# Altium PCB cheriot-test.PcbDoc (part 2 of 12)
Units mil, origin at the board's own origin, x right, y up, seen from the top; angles counter-clockwise.
Board outline 6629.92 x 3149.61 mil, 8 copper layers (Top Layer, Int1 (Sign), Int2 (GND), Int3 (Sign), Int4 (Sign), Int5 (PWR), Int6 (Sign), Bottom Layer), stack 60.424 mil thick; 496 components, 639 nets, 2898 pads, 1737 vias.
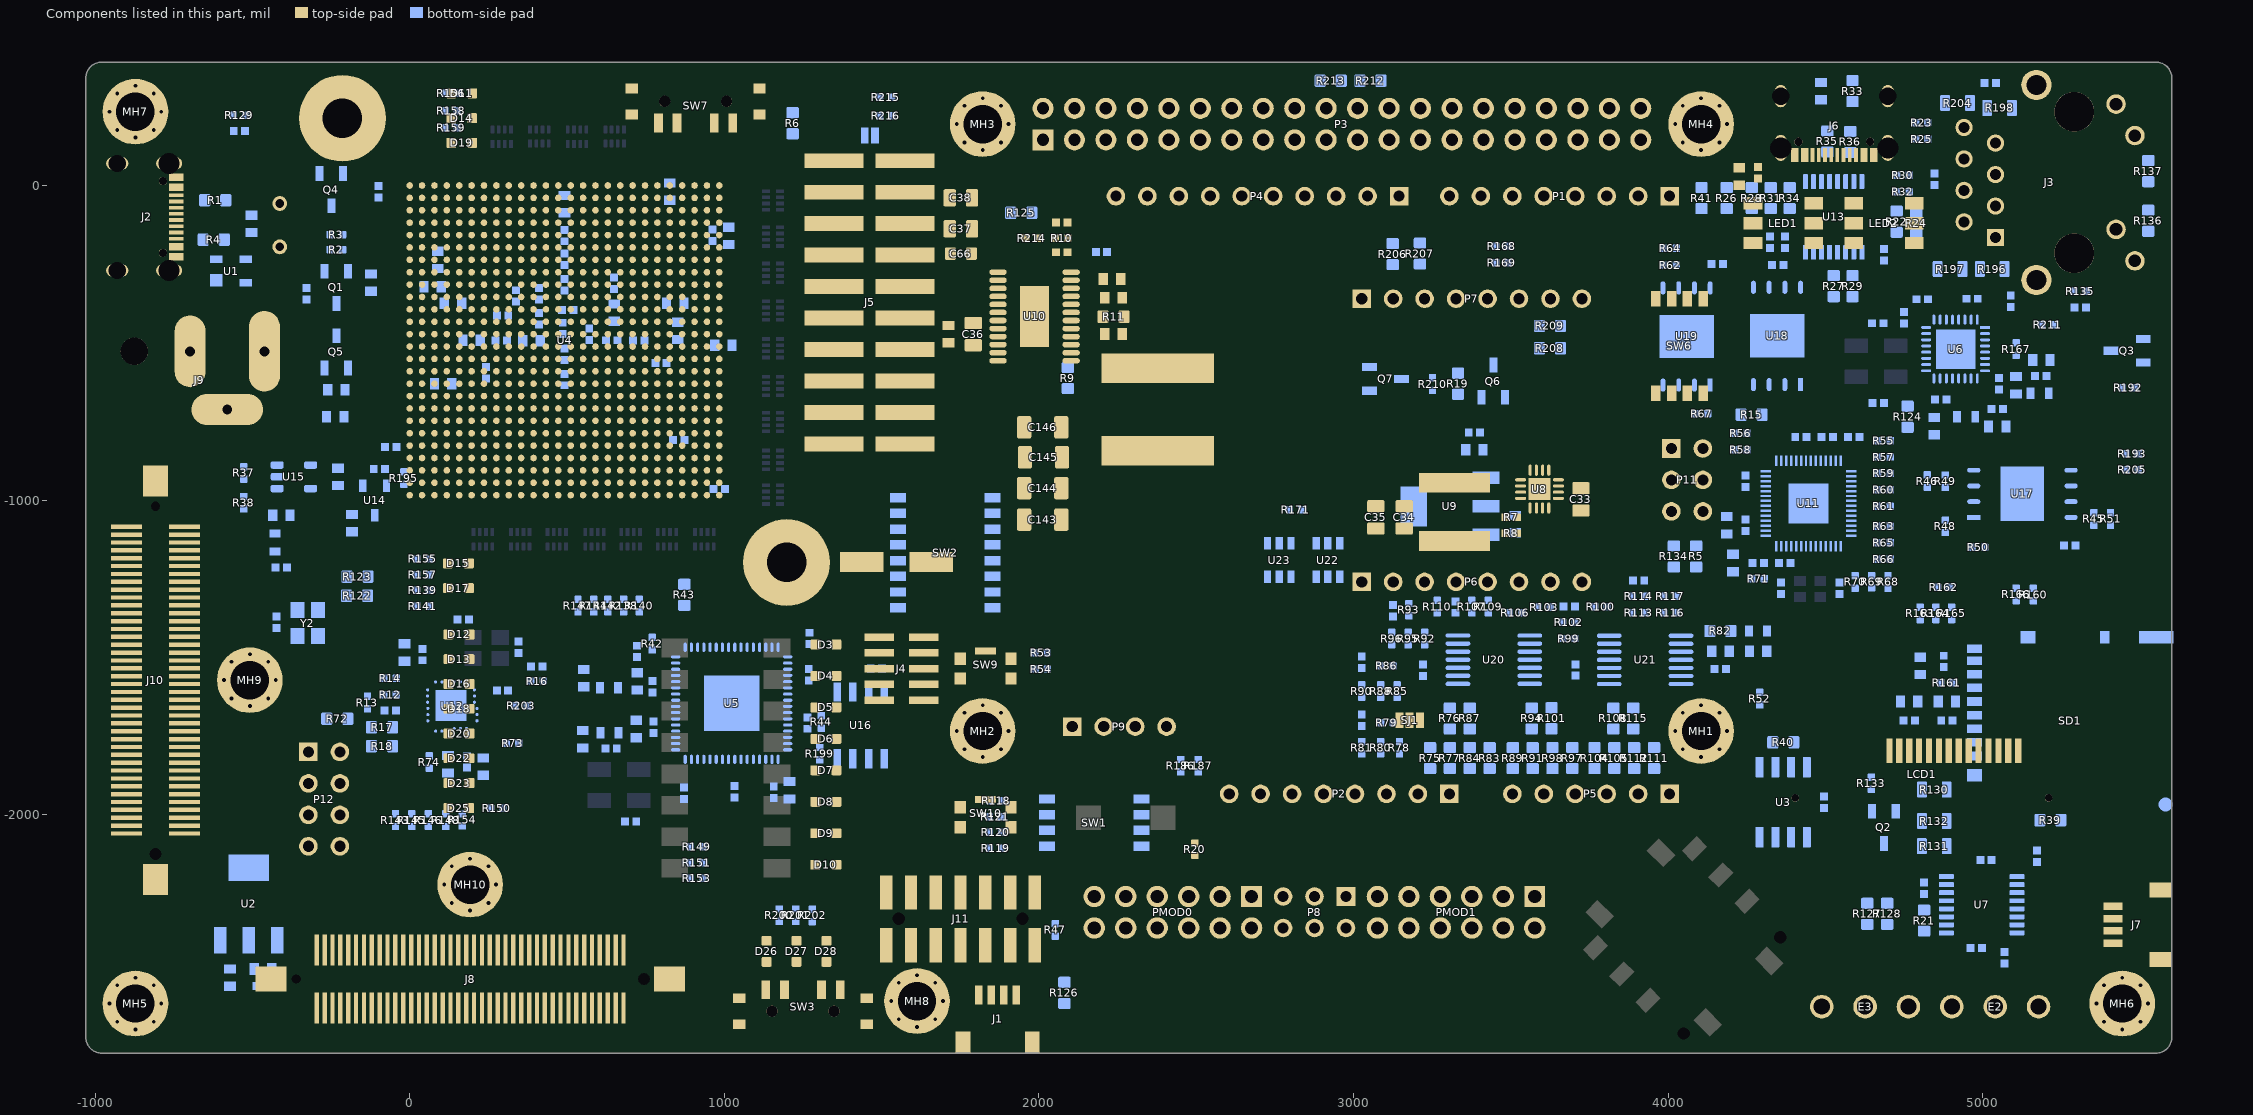
[diagram p8: the components of this part, seen from the top]

## Footprints (in the part's own frame and the unit in brackets; to place one, negate y for a bottom-side part, rotate by r counter-clockwise, add the part's x,y. Pads: shape width x height; smd on the part's side, far side on the other; paste and mask are expansions set on the pad) (continued)
FP-24-S4QFN-4x4B-0_5P-MFG [mm]
  round 0.252 smd paste+0 mask+0: 1(-1.883,1.25) 2(-1.883,0.75) 3(-1.883,0.25) 4(-2.087,-0.25) 5(-2.087,-0.75) 6(-2.087,-1.25) 7(-1.25,-1.883) 8(-0.75,-1.883) 9(-0.25,-1.883) 10(0.25,-2.087) 11(0.75,-2.087) 12(1.25,-2.087) 13(1.883,-1.25) 14(1.883,-0.75) 15(1.883,-0.25) 16(1.897,0.25) 17(1.897,0.75) 18(1.897,1.25) 19(1.25,1.883) 20(0.75,1.883) 21(0.25,1.883) 22(-0.25,1.897) 23(-0.75,1.897) 24(-1.25,1.897)
  rect 2.5x2.5 smd paste+0 mask+0: 25(0,0)
  Top Layer region: -1.11,2.228 -1.11,1.677 -1.121,1.624 -1.151,1.579 -1.196,1.548 -1.25,1.538 -1.25,1.538 -1.304,1.548 -1.349,1.579 -1.379,1.624 -1.39,1.677 -1.39,1.677 -1.39,2.228
  Top Layer region: -0.61,2.228 -0.61,1.677 -0.621,1.624 -0.651,1.579 -0.696,1.548 -0.75,1.538 -0.75,1.538 -0.804,1.548 -0.849,1.579 -0.879,1.624 -0.89,1.677 -0.89,1.677 -0.89,2.228
  Top Layer region: -0.11,2.228 -0.11,1.677 -0.121,1.624 -0.151,1.579 -0.196,1.548 -0.25,1.538 -0.25,1.538 -0.304,1.548 -0.349,1.579 -0.379,1.624 -0.39,1.677 -0.39,1.677 -0.39,2.228
  Top Layer region: 0.39,2.228 0.39,1.677 0.379,1.624 0.349,1.579 0.304,1.548 0.25,1.538 0.25,1.538 0.196,1.548 0.151,1.579 0.121,1.624 0.11,1.677 0.11,1.677 0.11,2.228
  Top Layer region: 0.89,2.228 0.89,1.677 0.879,1.624 0.849,1.579 0.804,1.548 0.75,1.538 0.75,1.538 0.696,1.548 0.651,1.579 0.621,1.624 0.61,1.677 0.61,1.677 0.61,2.228
  Top Layer region: 1.39,2.228 1.39,1.677 1.379,1.624 1.349,1.579 1.304,1.548 1.25,1.538 1.25,1.538 1.196,1.548 1.151,1.579 1.121,1.624 1.11,1.677 1.11,1.677 1.11,2.228
  Top Layer region: 1.11,-2.228 1.11,-1.677 1.121,-1.624 1.151,-1.579 1.196,-1.548 1.25,-1.538 1.25,-1.538 1.304,-1.548 1.349,-1.579 1.379,-1.624 1.39,-1.677 1.39,-1.677 1.39,-2.228
  Top Layer region: 0.61,-2.228 0.61,-1.677 0.621,-1.624 0.651,-1.579 0.696,-1.548 0.75,-1.538 0.75,-1.538 0.804,-1.548 0.849,-1.579 0.879,-1.624 0.89,-1.677 0.89,-1.677 0.89,-2.228
  Top Layer region: 0.11,-2.228 0.11,-1.677 0.121,-1.624 0.151,-1.579 0.196,-1.548 0.25,-1.538 0.25,-1.538 0.304,-1.548 0.349,-1.579 0.379,-1.624 0.39,-1.677 0.39,-1.677 0.39,-2.228
  Top Layer region: -0.39,-2.228 -0.39,-1.677 -0.379,-1.624 -0.349,-1.579 -0.304,-1.548 -0.25,-1.538 -0.25,-1.538 -0.196,-1.548 -0.151,-1.579 -0.121,-1.624 -0.11,-1.677 -0.11,-1.677 -0.11,-2.228
  Top Layer region: -0.89,-2.228 -0.89,-1.677 -0.879,-1.624 -0.849,-1.579 -0.804,-1.548 -0.75,-1.538 -0.75,-1.538 -0.696,-1.548 -0.651,-1.579 -0.621,-1.624 -0.61,-1.677 -0.61,-1.677 -0.61,-2.228
  Top Layer region: -1.39,-2.228 -1.39,-1.677 -1.379,-1.624 -1.349,-1.579 -1.304,-1.548 -1.25,-1.538 -1.25,-1.538 -1.196,-1.548 -1.151,-1.579 -1.121,-1.624 -1.11,-1.677 -1.11,-1.677 -1.11,-2.228
  Top Layer region: 2.228,1.11 1.677,1.11 1.624,1.121 1.579,1.151 1.548,1.196 1.538,1.25 1.538,1.25 1.548,1.304 1.579,1.349 1.624,1.379 1.677,1.39 1.677,1.39 2.228,1.39
  Top Layer region: 2.228,0.61 1.677,0.61 1.624,0.621 1.579,0.651 1.548,0.696 1.538,0.75 1.538,0.75 1.548,0.804 1.579,0.849 1.624,0.879 1.677,0.89 1.677,0.89 2.228,0.89
  Top Layer region: 2.228,0.11 1.677,0.11 1.624,0.121 1.579,0.151 1.548,0.196 1.538,0.25 1.538,0.25 1.548,0.304 1.579,0.349 1.624,0.379 1.677,0.39 1.677,0.39 2.228,0.39
  Top Layer region: 2.228,-0.39 1.677,-0.39 1.624,-0.379 1.579,-0.349 1.548,-0.304 1.538,-0.25 1.538,-0.25 1.548,-0.196 1.579,-0.151 1.624,-0.121 1.677,-0.11 1.677,-0.11 2.228,-0.11
  Top Layer region: 2.228,-1.39 1.677,-1.39 1.624,-1.379 1.579,-1.349 1.548,-1.304 1.538,-1.25 1.538,-1.25 1.548,-1.196 1.579,-1.151 1.624,-1.121 1.677,-1.11 1.677,-1.11 2.228,-1.11
  Top Layer region: -2.228,-1.11 -1.677,-1.11 -1.624,-1.121 -1.579,-1.151 -1.548,-1.196 -1.538,-1.25 -1.538,-1.25 -1.548,-1.304 -1.579,-1.349 -1.624,-1.379 -1.677,-1.39 -1.677,-1.39 -2.228,-1.39
  Top Layer region: -2.228,-0.61 -1.677,-0.61 -1.624,-0.621 -1.579,-0.651 -1.548,-0.696 -1.538,-0.75 -1.538,-0.75 -1.548,-0.804 -1.579,-0.849 -1.624,-0.879 -1.677,-0.89 -1.677,-0.89 -2.228,-0.89
  Top Layer region: -2.228,-0.11 -1.677,-0.11 -1.624,-0.121 -1.579,-0.151 -1.548,-0.196 -1.538,-0.25 -1.538,-0.25 -1.548,-0.304 -1.579,-0.349 -1.624,-0.379 -1.677,-0.39 -1.677,-0.39 -2.228,-0.39
  Top Layer region: -2.228,0.39 -1.677,0.39 -1.624,0.379 -1.579,0.349 -1.548,0.304 -1.538,0.25 -1.538,0.25 -1.548,0.196 -1.579,0.151 -1.624,0.121 -1.677,0.11 -1.677,0.11 -2.228,0.11
  Top Layer region: -2.228,0.89 -1.677,0.89 -1.624,0.879 -1.579,0.849 -1.548,0.804 -1.538,0.75 -1.538,0.75 -1.548,0.696 -1.579,0.651 -1.624,0.621 -1.677,0.61 -1.677,0.61 -2.228,0.61
  Top Layer region: -2.228,1.39 -1.677,1.39 -1.624,1.379 -1.579,1.349 -1.548,1.304 -1.538,1.25 -1.538,1.25 -1.548,1.196 -1.579,1.151 -1.624,1.121 -1.677,1.11 -1.677,1.11 -2.228,1.11
  Top Layer region: 2.228,-0.89 1.677,-0.89 1.624,-0.879 1.579,-0.849 1.548,-0.804 1.538,-0.75 1.538,-0.75 1.548,-0.696 1.579,-0.651 1.624,-0.621 1.677,-0.61 1.677,-0.61 2.228,-0.61
  silkscreen extent -2.78,-2.05 2.05,2.05, body extent -2,-2 2,2, height 1
FP-218-4LPSTR-MFG [mm]
  rect 1.27x0.76 smd paste+0 mask+0: 1(-3.81,1.905) 2(-3.81,0.635) 3(-3.81,-0.635) 4(-3.81,-1.905) 5(3.81,-1.905) 6(3.81,-0.635) 7(3.81,0.635) 8(3.81,1.905)
  silkscreen extent -5.15,-3.19 2.97,3.19, body extent -4.22,-3.13 4.22,3.13, height 2.65
FP-218-8LPST-MFG [mm]
  rect 1.27x0.76 smd paste+0 mask+0: 1(-3.81,4.445) 2(-3.81,3.175) 3(-3.81,1.905) 4(-3.81,0.635) 5(-3.81,-0.635) 6(-3.81,-1.905) 7(-3.81,-3.175) 8(-3.81,-4.445) 9(3.81,-4.445) 10(3.81,-3.175) 11(3.81,-1.905) 12(3.81,-0.635) 13(3.81,0.635) 14(3.81,1.905) 15(3.81,3.175) 16(3.81,4.445)
  silkscreen extent -5.14,-5.73 2.97,5.73, body extent -4.22,-5.67 4.22,5.67, height 2.65
FP-ASE-MFG [mm]
  rect 1.3x1.1 smd paste+0 mask+0: 1(-1.05,-0.825) 2(1.05,-0.825) 3(1.05,0.825) 4(-1.05,0.825)
  silkscreen extent -2.07,-2.05 2.07,1.35, body extent -1.6,-1.25 1.6,1.25, height 1.2
FP-C04-057-SN-MFG [mm]
  rect 1.55x0.6 smd paste+0 mask+0: 1(-2.7,1.905) 2(-2.7,0.635) 3(-2.7,-0.635) 4(-2.7,-1.905) 5(2.7,-1.905) 6(2.7,-0.635) 7(2.7,0.635) 8(2.7,1.905)
  silkscreen extent -4.22,-2.5 1.55,2.5, body extent -3,-2.45 3,2.45, height 1.75
FP-CUS-13TB-MFG [mm]
  rect 0.7x1.5 smd paste+0 mask+0: 1(-3,2.5) 2(-1.5,2.5) 3(1.5,2.5) 4(3,2.5)
  rect 1x0.8 smd paste+0 mask+0: 5(-5.15,1.8) 6(5.15,1.8) 7(-5.15,-0.3) 8(5.15,-0.3)
  round 0.9 hole 0.9 unplated paste-2539.97 mask+0: ""(-2.5,0.75) ""(2.5,0.75)
  silkscreen extent -4.95,-2.25 4.95,3.95, body extent -5.75,-2.35 5.75,3.35, height 0.25
FP-DM3AT-SF-PEJM5-MFG [mm]
  rect 0.7x1.2 smd paste+0 mask+0: 1(2.775,7.975) 2(1.675,7.975) 3(0.575,7.975) 4(-0.525,7.975) 5(-1.625,7.975) 6(-2.725,7.975) 7(-3.825,7.975) 8(-4.925,7.975) 9(-5.875,7.975)
  rect 1x0.8 smd paste+0 mask+0: 10(-6.825,-2.525)
  rect 1x1.2 smd paste+0 mask+0: 11(4.325,7.975) 12(-6.825,3.675)
  rect 1x2.8 smd paste+0 mask+0: 13(-6.825,-6.675)
  round 1.145 smd paste+0 mask+0: 14(6.689,-7.439)
  Top Layer region: 6.025,-6.175 7.325,-6.175 7.325,-8.075 5.475,-8.075 5.475,-7.725 5.875,-7.725 6.025,-7.575 6.025,-6.175
  Top Layer keep-out region: 2.925,-6.725 5.475,-6.725 5.475,-8.075 2.925,-8.075
  Top Layer keep-out region: -7.225,7.525 -6.475,7.525 -6.475,4.275 -7.225,4.275
  Top Layer keep-out region: -7.225,3.075 -6.475,3.075 -6.475,-0.525 -7.225,-0.525
  Top Layer keep-out region: -6.125,1.674 -5.425,1.674 -5.425,-5.926 -6.125,-5.926
  Top Layer keep-out region: -5.425,2.975 3.275,2.975 3.275,1.375 -5.425,1.375
  silkscreen extent -7.02,-8.18 7.02,9.25, body extent -6.93,-8.07 6.92,8.08, height 1.83
FP-J00-0045NL-MFG [mm]
  rect 1.39x1.39 hole 0.89 paste-2539.97 mask+0: 1(4.445,-6.345)
  round 1.39 hole 0.89 paste-2539.97 mask+0: 2(3.175,-8.885) 3(1.905,-6.345) 4(0.635,-8.885) 5(-0.635,-6.345) 6(-1.905,-8.885) 7(-3.175,-6.345) 8(-4.445,-8.885)
  round 1.57 hole 1.02 paste-2539.97 mask+0: 9(6.325,4.905) 10(3.785,3.385) 11(-3.785,4.905) 12(-6.325,3.385)
  round 2.45 hole 1.6 paste-2539.97 mask+0: 13(-7.875,-3.045) 14(7.875,-3.045)
  round 3.2 hole 3.2 unplated paste-2539.97 mask+0: ""(-5.715,0.005) ""(5.715,0.005)
  Keep-Out Layer region: -8.13,7.875 8.13,7.875 8.13,10.795 -8.13,10.795
  silkscreen extent -8.13,-10.8 8.85,10.8, body extent -9.2,-10.89 9.2,10.89, height 0.25
FP-KMR211GLFS-MFG [mm]
  rect 0.9x1 smd paste+0 mask+0: 1(-2.05,0.8) 2(2.05,0.8) 3(-2.05,-0.8) 4(2.05,-0.8)
  rect 1.7x0.55 smd paste+0 mask+0: 5(0,1.425)
  silkscreen extent -3.55,-1.68 2.88,2.15
FP-QFN55-32LD-PL-5-IPC_C [mm]
  rect 0.808x0.239 smd paste+0 mask+0: 1(-2.375,1.75)
  rrect100% 0.808x0.239 smd paste+0 mask+0: 2(-2.375,1.25) 3(-2.375,0.75) 4(-2.375,0.25) 5(-2.375,-0.25) 6(-2.375,-0.75) 7(-2.375,-1.25) 8(-2.375,-1.75) 17(2.375,-1.75) 18(2.375,-1.25) 19(2.375,-0.75) 20(2.375,-0.25) 21(2.375,0.25) 22(2.375,0.75) 23(2.375,1.25) 24(2.375,1.75)
  rrect100% 0.239x0.808 smd paste+0 mask+0: 9(-1.75,-2.375) 10(-1.25,-2.375) 11(-0.75,-2.375) 12(-0.25,-2.375) 13(0.25,-2.375) 14(0.75,-2.375) 15(1.25,-2.375) 16(1.75,-2.375) 25(1.75,2.375) 26(1.25,2.375) 27(0.75,2.375) 28(0.25,2.375) 29(-0.25,2.375) 30(-0.75,2.375) 31(-1.25,2.375) 32(-1.75,2.375)
  rect 3.2x3.2 smd paste-1000 mask+0: 33(0,0)
  silkscreen extent -3.3,-2.5 2.5,2.5, body extent -2.5,-2.5 2.5,2.5, height 1
FP-USB4105-GF-A-MFG [mm]
  rrect100% 1x2.1 hole 1.7 slot 0.6 at 0 deg paste-2539.97 mask+0: 1(-4.32,3.015) 2(4.32,3.015)
  rrect100% 1x1.8 hole 1.4 slot 0.6 at 0 deg paste-2539.97 mask+0: 3(-4.32,-1.165) 4(4.32,-1.165)
  rect 0.6x1.15 smd paste+0 mask+0: A1-B12(-3.2,3.59) A4-B9(-2.4,3.59) B1-A12(3.2,3.59) B4-A9(2.4,3.59)
  rect 0.3x1.15 smd paste+0 mask+0: A5(-1.25,3.59) A6(-0.25,3.59) A7(0.25,3.59) A8(1.25,3.59) B5(1.75,3.59) B6(0.75,3.59) B7(-0.75,3.59) B8(-1.75,3.59)
  round 0.65 hole 0.65 unplated paste-2539.97 mask+0: ""(-2.89,2.515) ""(2.89,2.515)
  silkscreen extent -4.86,-3.84 4.86,4.84, body extent -4.96,-3.94 4.96,4.27, height 0.25
FP-XC7A200T-1FBG676C-MFG [mm]
  round 0.53 smd paste+0 mask+0: A1(-12.5,12.5) A2(-11.5,12.5) A3(-10.5,12.5) A4(-9.5,12.5) A5(-8.5,12.5) A6(-7.5,12.5) A7(-6.5,12.5) A8(-5.5,12.5) A9(-4.5,12.5) A10(-3.5,12.5) A11(-2.5,12.5) A12(-1.5,12.5) A13(-0.5,12.5) A14(0.5,12.5) A15(1.5,12.5) A16(2.5,12.5) A17(3.5,12.5) A18(4.5,12.5) A19(5.5,12.5) A20(6.5,12.5) A21(7.5,12.5) A22(8.5,12.5) A23(9.5,12.5) A24(10.5,12.5) A25(11.5,12.5) A26(12.5,12.5) AA1(-12.5,-7.5) AA2(-11.5,-7.5) AA3(-10.5,-7.5) AA4(-9.5,-7.5) AA5(-8.5,-7.5) AA6(-7.5,-7.5) AA7(-6.5,-7.5) AA8(-5.5,-7.5) AA9(-4.5,-7.5) AA10(-3.5,-7.5) AA11(-2.5,-7.5) AA12(-1.5,-7.5) AA13(-0.5,-7.5) AA14(0.5,-7.5) AA15(1.5,-7.5) AA16(2.5,-7.5) AA17(3.5,-7.5) AA18(4.5,-7.5) AA19(5.5,-7.5) AA20(6.5,-7.5) AA21(7.5,-7.5) AA22(8.5,-7.5) AA23(9.5,-7.5) AA24(10.5,-7.5) AA25(11.5,-7.5) AA26(12.5,-7.5) AB1(-12.5,-8.5) AB2(-11.5,-8.5) AB3(-10.5,-8.5) AB4(-9.5,-8.5) AB5(-8.5,-8.5) AB6(-7.5,-8.5) AB7(-6.5,-8.5) AB8(-5.5,-8.5) AB9(-4.5,-8.5) AB10(-3.5,-8.5) AB11(-2.5,-8.5) AB12(-1.5,-8.5) AB13(-0.5,-8.5) AB14(0.5,-8.5) AB15(1.5,-8.5) AB16(2.5,-8.5) AB17(3.5,-8.5) AB18(4.5,-8.5) AB19(5.5,-8.5) AB20(6.5,-8.5) AB21(7.5,-8.5) AB22(8.5,-8.5) AB23(9.5,-8.5) AB24(10.5,-8.5) AB25(11.5,-8.5) AB26(12.5,-8.5) AC1(-12.5,-9.5) AC2(-11.5,-9.5) AC3(-10.5,-9.5) AC4(-9.5,-9.5) AC5(-8.5,-9.5) AC6(-7.5,-9.5) AC7(-6.5,-9.5) AC8(-5.5,-9.5) AC9(-4.5,-9.5) AC10(-3.5,-9.5) AC11(-2.5,-9.5) AC12(-1.5,-9.5) AC13(-0.5,-9.5) AC14(0.5,-9.5) AC15(1.5,-9.5) AC16(2.5,-9.5) AC17(3.5,-9.5) AC18(4.5,-9.5) AC19(5.5,-9.5) AC20(6.5,-9.5) AC21(7.5,-9.5) AC22(8.5,-9.5) AC23(9.5,-9.5) AC24(10.5,-9.5) AC25(11.5,-9.5) AC26(12.5,-9.5) AD1(-12.5,-10.5) AD2(-11.5,-10.5) AD3(-10.5,-10.5) AD4(-9.5,-10.5) AD5(-8.5,-10.5) AD6(-7.5,-10.5) AD7(-6.5,-10.5) AD8(-5.5,-10.5) AD9(-4.5,-10.5) AD10(-3.5,-10.5) AD11(-2.5,-10.5) AD12(-1.5,-10.5) AD13(-0.5,-10.5) AD14(0.5,-10.5) AD15(1.5,-10.5) AD16(2.5,-10.5) AD17(3.5,-10.5) AD18(4.5,-10.5) AD19(5.5,-10.5) AD20(6.5,-10.5) AD21(7.5,-10.5) AD22(8.5,-10.5) AD23(9.5,-10.5) AD24(10.5,-10.5) AD25(11.5,-10.5) AD26(12.5,-10.5) AE1(-12.5,-11.5) AE2(-11.5,-11.5) AE3(-10.5,-11.5) AE4(-9.5,-11.5) AE5(-8.5,-11.5) AE6(-7.5,-11.5) AE7(-6.5,-11.5) AE8(-5.5,-11.5) AE9(-4.5,-11.5) AE10(-3.5,-11.5) AE11(-2.5,-11.5) AE12(-1.5,-11.5) AE13(-0.5,-11.5) AE14(0.5,-11.5) AE15(1.5,-11.5) AE16(2.5,-11.5) AE17(3.5,-11.5) AE18(4.5,-11.5) AE19(5.5,-11.5) AE20(6.5,-11.5) AE21(7.5,-11.5) AE22(8.5,-11.5) AE23(9.5,-11.5) AE24(10.5,-11.5) AE25(11.5,-11.5) AE26(12.5,-11.5) AF1(-12.5,-12.5) AF2(-11.5,-12.5) AF3(-10.5,-12.5) AF4(-9.5,-12.5) AF5(-8.5,-12.5) AF6(-7.5,-12.5) AF7(-6.5,-12.5) AF8(-5.5,-12.5) AF9(-4.5,-12.5) AF10(-3.5,-12.5) AF11(-2.5,-12.5) AF12(-1.5,-12.5) AF13(-0.5,-12.5) AF14(0.5,-12.5) AF15(1.5,-12.5) AF16(2.5,-12.5) AF17(3.5,-12.5) AF18(4.5,-12.5) AF19(5.5,-12.5) AF20(6.5,-12.5) AF21(7.5,-12.5) AF22(8.5,-12.5) AF23(9.5,-12.5) AF24(10.5,-12.5) AF25(11.5,-12.5) AF26(12.5,-12.5) B1(-12.5,11.5) B2(-11.5,11.5) B3(-10.5,11.5) B4(-9.5,11.5) B5(-8.5,11.5) B6(-7.5,11.5) B7(-6.5,11.5) B8(-5.5,11.5) B9(-4.5,11.5) B10(-3.5,11.5) B11(-2.5,11.5) B12(-1.5,11.5) B13(-0.5,11.5) B14(0.5,11.5) B15(1.5,11.5) B16(2.5,11.5) B17(3.5,11.5) B18(4.5,11.5) B19(5.5,11.5) B20(6.5,11.5) B21(7.5,11.5) B22(8.5,11.5) B23(9.5,11.5) B24(10.5,11.5) B25(11.5,11.5) B26(12.5,11.5) C1(-12.5,10.5) C2(-11.5,10.5) C3(-10.5,10.5) C4(-9.5,10.5) C5(-8.5,10.5) C6(-7.5,10.5) C7(-6.5,10.5) C8(-5.5,10.5) C9(-4.5,10.5) C10(-3.5,10.5) C11(-2.5,10.5) C12(-1.5,10.5) C13(-0.5,10.5) C14(0.5,10.5) C15(1.5,10.5) C16(2.5,10.5) C17(3.5,10.5) C18(4.5,10.5) C19(5.5,10.5) C20(6.5,10.5) C21(7.5,10.5) C22(8.5,10.5) C23(9.5,10.5) C24(10.5,10.5) C25(11.5,10.5) C26(12.5,10.5) D1(-12.5,9.5) D2(-11.5,9.5) D3(-10.5,9.5) D4(-9.5,9.5) D5(-8.5,9.5) D6(-7.5,9.5) D7(-6.5,9.5) D8(-5.5,9.5) D9(-4.5,9.5) D10(-3.5,9.5) D11(-2.5,9.5) D12(-1.5,9.5) D13(-0.5,9.5) D14(0.5,9.5) D15(1.5,9.5) D16(2.5,9.5) D17(3.5,9.5) D18(4.5,9.5) D19(5.5,9.5) D20(6.5,9.5) D21(7.5,9.5) D22(8.5,9.5) D23(9.5,9.5) D24(10.5,9.5) D25(11.5,9.5) D26(12.5,9.5) E1(-12.5,8.5) E2(-11.5,8.5) E3(-10.5,8.5) E4(-9.5,8.5) E5(-8.5,8.5) E6(-7.5,8.5) E7(-6.5,8.5) E8(-5.5,8.5) E9(-4.5,8.5) E10(-3.5,8.5) E11(-2.5,8.5) E12(-1.5,8.5) E13(-0.5,8.5) E14(0.5,8.5) E15(1.5,8.5) E16(2.5,8.5) E17(3.5,8.5) E18(4.5,8.5) E19(5.5,8.5) E20(6.5,8.5) E21(7.5,8.5) E22(8.5,8.5) E23(9.5,8.5) E24(10.5,8.5) E25(11.5,8.5) E26(12.5,8.5) F1(-12.5,7.5) F2(-11.5,7.5) F3(-10.5,7.5) F4(-9.5,7.5) F5(-8.5,7.5) F6(-7.5,7.5) F7(-6.5,7.5) F8(-5.5,7.5) F9(-4.5,7.5) F10(-3.5,7.5) F11(-2.5,7.5) F12(-1.5,7.5) F13(-0.5,7.5) F14(0.5,7.5) F15(1.5,7.5) F16(2.5,7.5) F17(3.5,7.5) F18(4.5,7.5) F19(5.5,7.5) F20(6.5,7.5) F21(7.5,7.5) F22(8.5,7.5) F23(9.5,7.5) F24(10.5,7.5) F25(11.5,7.5) F26(12.5,7.5) G1(-12.5,6.5) G2(-11.5,6.5) G3(-10.5,6.5) G4(-9.5,6.5) G5(-8.5,6.5) G6(-7.5,6.5) G7(-6.5,6.5) G8(-5.5,6.5) G9(-4.5,6.5) G10(-3.5,6.5) G11(-2.5,6.5) G12(-1.5,6.5) G13(-0.5,6.5) G14(0.5,6.5) G15(1.5,6.5) G16(2.5,6.5) G17(3.5,6.5) G18(4.5,6.5) G19(5.5,6.5) G20(6.5,6.5) G21(7.5,6.5) G22(8.5,6.5) G23(9.5,6.5) G24(10.5,6.5) G25(11.5,6.5) G26(12.5,6.5) H1(-12.5,5.5) H2(-11.5,5.5) H3(-10.5,5.5) H4(-9.5,5.5) H5(-8.5,5.5) H6(-7.5,5.5) H7(-6.5,5.5) H8(-5.5,5.5) H9(-4.5,5.5) H10(-3.5,5.5) H11(-2.5,5.5) H12(-1.5,5.5) H13(-0.5,5.5) H14(0.5,5.5) H15(1.5,5.5) H16(2.5,5.5) H17(3.5,5.5) H18(4.5,5.5) H19(5.5,5.5) H20(6.5,5.5) H21(7.5,5.5) H22(8.5,5.5) H23(9.5,5.5) H24(10.5,5.5) H25(11.5,5.5) H26(12.5,5.5) J1(-12.5,4.5) J2(-11.5,4.5) J3(-10.5,4.5) J4(-9.5,4.5) J5(-8.5,4.5) J6(-7.5,4.5) J7(-6.5,4.5) J8(-5.5,4.5) J9(-4.5,4.5) J10(-3.5,4.5) J11(-2.5,4.5) J12(-1.5,4.5) J13(-0.5,4.5) J14(0.5,4.5) J15(1.5,4.5) J16(2.5,4.5) J17(3.5,4.5) J18(4.5,4.5) J19(5.5,4.5) J20(6.5,4.5) J21(7.5,4.5) J22(8.5,4.5) J23(9.5,4.5) J24(10.5,4.5) J25(11.5,4.5) J26(12.5,4.5) K1(-12.5,3.5) K2(-11.5,3.5) K3(-10.5,3.5) K4(-9.5,3.5) K5(-8.5,3.5) K6(-7.5,3.5) K7(-6.5,3.5) K8(-5.5,3.5) K9(-4.5,3.5) K10(-3.5,3.5) K11(-2.5,3.5) K12(-1.5,3.5) K13(-0.5,3.5) K14(0.5,3.5) K15(1.5,3.5) K16(2.5,3.5) K17(3.5,3.5) K18(4.5,3.5) K19(5.5,3.5) K20(6.5,3.5) K21(7.5,3.5) K22(8.5,3.5) K23(9.5,3.5) K24(10.5,3.5) K25(11.5,3.5) K26(12.5,3.5) L1(-12.5,2.5) L2(-11.5,2.5) L3(-10.5,2.5) L4(-9.5,2.5) L5(-8.5,2.5) L6(-7.5,2.5) L7(-6.5,2.5) L8(-5.5,2.5) L9(-4.5,2.5) L10(-3.5,2.5) L11(-2.5,2.5) L12(-1.5,2.5) L13(-0.5,2.5) L14(0.5,2.5) L15(1.5,2.5) L16(2.5,2.5) L17(3.5,2.5) L18(4.5,2.5) L19(5.5,2.5) L20(6.5,2.5) L21(7.5,2.5) L22(8.5,2.5) L23(9.5,2.5) L24(10.5,2.5) L25(11.5,2.5) L26(12.5,2.5) M1(-12.5,1.5) M2(-11.5,1.5) M3(-10.5,1.5) M4(-9.5,1.5) M5(-8.5,1.5) M6(-7.5,1.5) M7(-6.5,1.5) M8(-5.5,1.5) M9(-4.5,1.5) M10(-3.5,1.5) M11(-2.5,1.5) M12(-1.5,1.5) M13(-0.5,1.5) M14(0.5,1.5) M15(1.5,1.5) M16(2.5,1.5) M17(3.5,1.5) M18(4.5,1.5) M19(5.5,1.5) M20(6.5,1.5) M21(7.5,1.5) M22(8.5,1.5) M23(9.5,1.5) M24(10.5,1.5) M25(11.5,1.5) M26(12.5,1.5) N1(-12.5,0.5) N2(-11.5,0.5) N3(-10.5,0.5) N4(-9.5,0.5) N5(-8.5,0.5) N6(-7.5,0.5) N7(-6.5,0.5) N8(-5.5,0.5) N9(-4.5,0.5) N10(-3.5,0.5) N11(-2.5,0.5) N12(-1.5,0.5) N13(-0.5,0.5) N14(0.5,0.5) N15(1.5,0.5) N16(2.5,0.5) N17(3.5,0.5) N18(4.5,0.5) N19(5.5,0.5) N20(6.5,0.5) N21(7.5,0.5) N22(8.5,0.5) N23(9.5,0.5) N24(10.5,0.5) N25(11.5,0.5) N26(12.5,0.5) P1(-12.5,-0.5) P2(-11.5,-0.5) P3(-10.5,-0.5) P4(-9.5,-0.5) P5(-8.5,-0.5) P6(-7.5,-0.5) P7(-6.5,-0.5) P8(-5.5,-0.5) P9(-4.5,-0.5) P10(-3.5,-0.5) P11(-2.5,-0.5) P12(-1.5,-0.5) P13(-0.5,-0.5) P14(0.5,-0.5) P15(1.5,-0.5) P16(2.5,-0.5) P17(3.5,-0.5) P18(4.5,-0.5) P19(5.5,-0.5) P20(6.5,-0.5) P21(7.5,-0.5) P22(8.5,-0.5) P23(9.5,-0.5) P24(10.5,-0.5) P25(11.5,-0.5) P26(12.5,-0.5) R1(-12.5,-1.5) R2(-11.5,-1.5) R3(-10.5,-1.5) R4(-9.5,-1.5) R5(-8.5,-1.5) R6(-7.5,-1.5) R7(-6.5,-1.5) R8(-5.5,-1.5) R9(-4.5,-1.5) R10(-3.5,-1.5) R11(-2.5,-1.5) R12(-1.5,-1.5) R13(-0.5,-1.5) R14(0.5,-1.5) R15(1.5,-1.5) R16(2.5,-1.5) R17(3.5,-1.5) R18(4.5,-1.5) R19(5.5,-1.5) R20(6.5,-1.5) R21(7.5,-1.5) R22(8.5,-1.5) R23(9.5,-1.5) R24(10.5,-1.5) R25(11.5,-1.5) R26(12.5,-1.5) T1(-12.5,-2.5) T2(-11.5,-2.5) T3(-10.5,-2.5) T4(-9.5,-2.5) T5(-8.5,-2.5) T6(-7.5,-2.5) T7(-6.5,-2.5) T8(-5.5,-2.5) T9(-4.5,-2.5) T10(-3.5,-2.5) T11(-2.5,-2.5) T12(-1.5,-2.5) T13(-0.5,-2.5) T14(0.5,-2.5) T15(1.5,-2.5) T16(2.5,-2.5) T17(3.5,-2.5) T18(4.5,-2.5) T19(5.5,-2.5) T20(6.5,-2.5) T21(7.5,-2.5) T22(8.5,-2.5) T23(9.5,-2.5) T24(10.5,-2.5) T25(11.5,-2.5) T26(12.5,-2.5) U1(-12.5,-3.5) U2(-11.5,-3.5) U3(-10.5,-3.5) U4(-9.5,-3.5) U5(-8.5,-3.5) U6(-7.5,-3.5) U7(-6.5,-3.5) U8(-5.5,-3.5) U9(-4.5,-3.5) U10(-3.5,-3.5) U11(-2.5,-3.5) U12(-1.5,-3.5) U13(-0.5,-3.5) U14(0.5,-3.5) U15(1.5,-3.5) U16(2.5,-3.5) U17(3.5,-3.5) U18(4.5,-3.5) U19(5.5,-3.5) U20(6.5,-3.5) U21(7.5,-3.5) U22(8.5,-3.5) U23(9.5,-3.5) U24(10.5,-3.5) U25(11.5,-3.5) U26(12.5,-3.5) V1(-12.5,-4.5) V2(-11.5,-4.5) V3(-10.5,-4.5) V4(-9.5,-4.5) V5(-8.5,-4.5) V6(-7.5,-4.5) V7(-6.5,-4.5) V8(-5.5,-4.5) V9(-4.5,-4.5) V10(-3.5,-4.5) V11(-2.5,-4.5) V12(-1.5,-4.5) V13(-0.5,-4.5) V14(0.5,-4.5) V15(1.5,-4.5) V16(2.5,-4.5) V17(3.5,-4.5) V18(4.5,-4.5) V19(5.5,-4.5) V20(6.5,-4.5) V21(7.5,-4.5) V22(8.5,-4.5) V23(9.5,-4.5) V24(10.5,-4.5) V25(11.5,-4.5) V26(12.5,-4.5) W1(-12.5,-5.5) W2(-11.5,-5.5) W3(-10.5,-5.5) W4(-9.5,-5.5) W5(-8.5,-5.5) W6(-7.5,-5.5) W7(-6.5,-5.5) W8(-5.5,-5.5) W9(-4.5,-5.5) W10(-3.5,-5.5) W11(-2.5,-5.5) W12(-1.5,-5.5) W13(-0.5,-5.5) W14(0.5,-5.5) W15(1.5,-5.5) W16(2.5,-5.5) W17(3.5,-5.5) W18(4.5,-5.5) W19(5.5,-5.5) W20(6.5,-5.5) W21(7.5,-5.5) W22(8.5,-5.5) W23(9.5,-5.5) W24(10.5,-5.5) W25(11.5,-5.5) W26(12.5,-5.5) Y1(-12.5,-6.5) Y2(-11.5,-6.5) Y3(-10.5,-6.5) Y4(-9.5,-6.5) Y5(-8.5,-6.5) Y6(-7.5,-6.5) Y7(-6.5,-6.5) Y8(-5.5,-6.5) Y9(-4.5,-6.5) Y10(-3.5,-6.5) Y11(-2.5,-6.5) Y12(-1.5,-6.5) Y13(-0.5,-6.5) Y14(0.5,-6.5) Y15(1.5,-6.5) Y16(2.5,-6.5) Y17(3.5,-6.5) Y18(4.5,-6.5) Y19(5.5,-6.5) Y20(6.5,-6.5) Y21(7.5,-6.5) Y22(8.5,-6.5) Y23(9.5,-6.5) Y24(10.5,-6.5) Y25(11.5,-6.5) Y26(12.5,-6.5)
  silkscreen extent -14.5,-13.6 13.6,13.6, body extent -14.1,-14.1 14.1,14.1, height 0.25
HDR1X4 [mm] "Connector; Header; 4 Position"
  rect 1.5x1.5 hole 0.9: 1(0,0)
  round 1.5 hole 0.9: 2(2.54,0) 3(5.08,0) 4(7.62,0)
  silkscreen extent -1.27,-1.27 8.89,1.27
HDR1X6_SLW-106-01-T-S [mm] "Connector; Header; 6 Position"
  rect 1.5x1.5 hole 0.9: 1(0,0)
  round 1.5 hole 0.9: 2(2.54,0) 3(5.08,0) 4(7.62,0) 5(10.16,0) 6(12.7,0)
  silkscreen extent -1.27,-1.27 13.97,1.27, body extent -1.27,-1.27 13.97,1.27, height 4.58
HDR1X8_SLW-108-01-T-S [mm] "Connector; Header; 8 Position"
  rect 1.5x1.5 hole 0.9: 1(0,0)
  round 1.5 hole 0.9: 2(2.54,0) 3(5.08,0) 4(7.62,0) 5(10.16,0) 6(12.7,0) 7(15.24,0) 8(17.78,0)
  silkscreen extent -1.27,-1.27 19.05,1.27, body extent -1.27,-1.27 19.05,1.27, height 4.58
HDR1X10_SLW-110-01-T-S [mm] "Connector; Header; 10 Position"
  rect 1.5x1.5 hole 0.9: 1(0,0)
  round 1.5 hole 0.9: 2(2.54,0) 3(5.08,0) 4(7.62,0) 5(10.16,0) 6(12.7,0) 7(15.24,0) 8(17.78,0) 9(20.32,0) 10(22.86,0)
  silkscreen extent -1.27,-1.27 24.13,1.27, body extent -1.27,-1.27 24.13,1.27, height 4.57
HDR2X3_CEN [mm] "Connector; Header; 3x2 Position"
  rect 1.5x1.5 hole 0.9: 1(0,0)
  round 1.5 hole 0.9: 2(2.54,0) 3(5.08,0) 4(0,2.54) 5(2.54,2.54) 6(5.08,2.54)
  silkscreen extent -1.27,-1.27 6.35,3.81
HDR2X3_XG8T-0641 [mm] "Connector; Header; 3x2 Position"
  rect 1.5x1.5 hole 0.9: 1(0,0)